# Altium PCB STM32F429IGT6.PcbDoc (part 4 of 6) (continued)
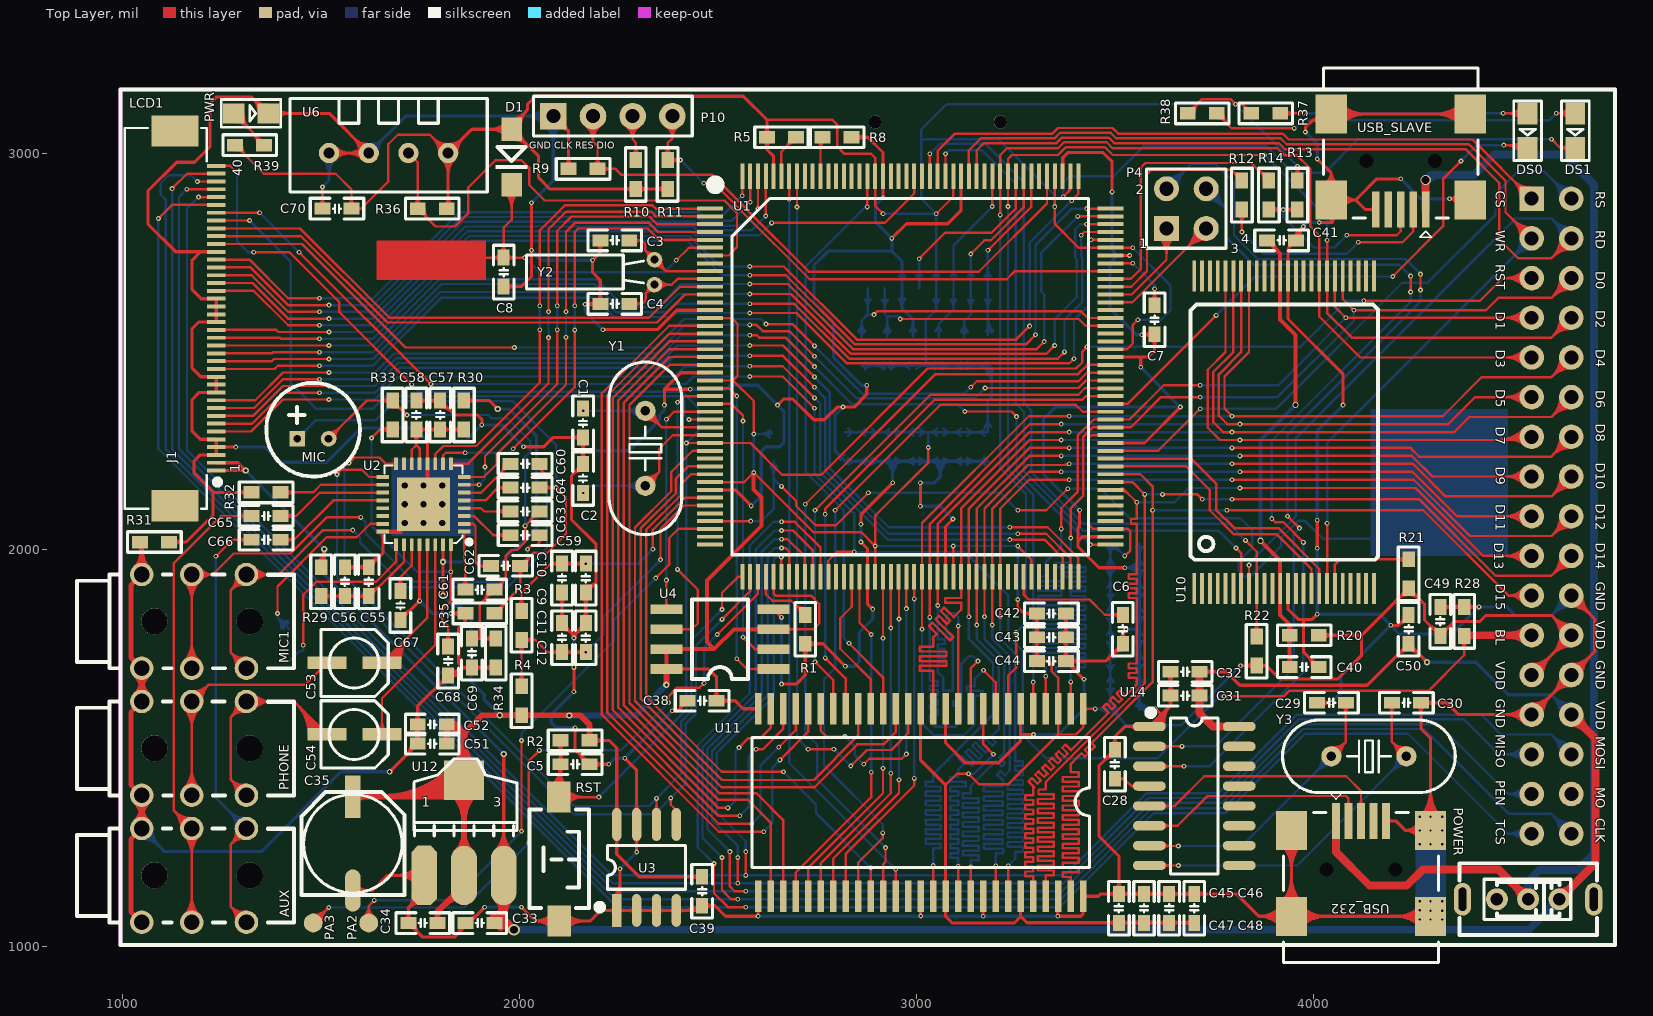
[diagram p0: Top Layer view]
## Nets (pads, with @x,y where several pads share a name; then routed paths per layer and width w, separated by ;. In a path a pad name is that pad's centre, name@x,y a point inside that pad or via, vN(x,y) a via of type N, cw(c..) or ccw(c..) an arc to the next point about the centre after c; other vN are vias at no path point) (continued)
  Bottom Layer w6: v1(3660,1205) 3959.49,1205 Y3.2@4234.49,1480 ; v1@3662.12,1202.88 cw(c3667.24,1197.76) 3667.24,1205 cw(c3667.24,1212.24) v1@3662.12,1207.12 ; Y3.2@4211.9,1480 cw(c4157.36,1480) 4195.92,1441.44 cw(c4234.49,1402.87) Y3.2@4234.49,1457.41 ; Y3.2@4217.9,1480 cw(c4177.84,1480) 4206.17,1451.68 cw(c4234.49,1423.36) Y3.2@4234.49,1463.41
NetC40_2: C40.2 C41.2 R20.1 U10.12 U10.37 | length 1328.9
  Top Layer w10: v4(3867,2023) 3916.53,1973.47 U10.12@3916.53,1903.07 3916.53,1836.47 3940.5,1812.5 R20.1@3940.5,1785 C40.2@3940.5,1705 ; C41.2@3883.5,2780 3916.53,2746.97 U10.37@3916.53,2690.47 3916.53,2580.25 3955,2541.79 v4(3955,2365) ; C41.2@3888.5,2770 cw(c3888.5,2757.93) C41.2@3897.04,2766.46 ; C41.2@3898.5,2780 ccw(c3934.71,2780) 3909.11,2754.39 ; R20.1@3932.9,1777.4 cw(c3914.55,1759.05) 3940.5,1759.05 cw(c3966.45,1759.05) R20.1@3948.1,1777.4 ; R20.1@3932.9,1792.6 ccw(c3914.55,1810.95) 3940.5,1810.95 ccw(c3966.45,1810.95) R20.1@3948.1,1792.6 ; C40.2@3933.43,1712.07 ccw(c3916.36,1729.14) 3940.5,1729.14 ccw(c3964.64,1729.14) C40.2@3947.57,1712.07
  Bottom Layer w10: v4(3867,2023) 3867,2277 v4(3955,2365)
NetC53_1: C53.1 U2.29 | length 727
  Top Layer w6: C53.1@1653.54,1715.35 1767.84,1829.65 U2.29@1767.84,2012.59 ; C53.1@1657.76,1715.35 cw(c1667.93,1715.35) C53.1@1660.73,1722.55 ; C53.1@1663.76,1715.35 cw(c1688.41,1715.35) 1670.98,1732.79 ; C53.1@1669.76,1715.35 cw(c1708.9,1715.35) 1681.22,1743.03 ; C53.1@1675.76,1715.35 cw(c1729.38,1715.35) 1691.46,1753.27 ; C53.1@1681.76,1715.35 cw(c1749.87,1715.35) 1701.71,1763.52 ; C53.1@1687.76,1715.35 cw(c1770.35,1715.35) 1711.95,1773.76 ; C53.1@1693.76,1715.35 cw(c1790.84,1715.35) 1722.19,1784 ; C53.1@1699.76,1715.35 cw(c1811.32,1715.35) 1732.43,1794.24
NetC53_2: C53.2 PHONE.2 | length 1291.2
  Top Layer w6: PHONE.2@1155.34,1400.65 ccw(c1110.05,1445.93) 1174.09,1445.93 ccw(c1238.14,1445.93) PHONE.2@1192.85,1400.65 ; PHONE.2@1155.34,1599.35 cw(c1110.05,1554.07) 1174.09,1554.07 cw(c1238.14,1554.07) PHONE.2@1192.85,1599.35 ; PHONE.2@1159.58,1396.4 ccw(c1124.54,1431.45) 1174.09,1431.45 ccw(c1223.65,1431.45) PHONE.2@1188.61,1396.4 ; PHONE.2@1159.58,1603.6 cw(c1124.54,1568.55) 1174.09,1568.55 cw(c1223.65,1568.55) PHONE.2@1188.61,1603.6 ; PHONE.2@1163.82,1392.16 ccw(c1139.02,1416.96) 1174.09,1416.96 ccw(c1209.17,1416.96) PHONE.2@1184.37,1392.16 ; PHONE.2@1163.82,1607.84 cw(c1139.02,1583.04) 1174.09,1583.04 cw(c1209.17,1583.04) PHONE.2@1184.37,1607.84 ; PHONE.2@1174.09,1381.89 PHONE.2@1174.09,1618.11 1215.98,1660 ; PHONE.2@1174.92,1632.61 ccw(c1176.56,1661.53) 1197.03,1641.05 ccw(c1217.51,1620.57) PHONE.2@1188.6,1618.93 ; PHONE.2@1175.26,1638.6 ccw(c1177.57,1679.46) 1206.51,1650.52 ccw(c1235.44,1621.59) PHONE.2@1194.59,1619.27 ; PHONE.2@1175.6,1644.6 ccw(c1178.59,1697.39) 1215.98,1660 ; PHONE.2@1200.58,1619.61 cw(c1253.37,1622.61) 1215.98,1660 ; C53.2@1515,1715.35 1459.65,1660 1215.98,1660
NetC54_1: C54.1 U2.30 | length 606.7
  Top Layer w6: C54.1@1644.53,1544.37 ccw(c1622.77,1566.13) 1653.54,1566.13 ccw(c1684.32,1566.13) C54.1@1662.56,1544.37 ; C54.1@1648.77,1540.13 ccw(c1637.25,1551.65) 1653.54,1551.65 ccw(c1669.83,1551.65) C54.1@1658.31,1540.13 ; C54.1@1653.54,1535.35 1653.54,1626.54 1787.53,1760.53 U2.30@1787.53,2012.59
NetC54_2: C54.2 PHONE.1 | length 1504
  Top Layer w6: PHONE.1@1285.48,1384.37 ccw(c1238.97,1388.75) 1272,1421.78 ; PHONE.1@1285.48,1615.63 cw(c1238.97,1611.25) 1272,1578.22 ; PHONE.1@1291.45,1383.81 ccw(c1255.46,1387.2) 1281.02,1412.76 ccw(c1306.58,1438.32) PHONE.1@1309.97,1402.33 ; PHONE.1@1291.45,1616.19 cw(c1255.46,1612.8) 1281.02,1587.24 cw(c1306.58,1561.68) PHONE.1@1309.97,1597.67 ; PHONE.1@1297.43,1383.25 ccw(c1271.96,1385.65) 1290.05,1403.73 ccw(c1308.13,1421.82) PHONE.1@1310.53,1396.35 ; PHONE.1@1297.43,1616.75 cw(c1271.96,1614.36) 1290.05,1596.27 cw(c1308.13,1578.18) PHONE.1@1310.53,1603.65 ; PHONE.1@1309.41,1408.3 cw(c1305.03,1454.81) 1272,1421.78 ; PHONE.1@1309.41,1591.7 ccw(c1305.03,1545.19) 1272,1578.22 ; PHONE.1@1311.89,1381.89 1272,1421.78 ; PHONE.1@1322.16,1607.84 cw(c1346.96,1583.04) 1346.96,1618.11 cw(c1346.96,1653.18) PHONE.1@1322.16,1628.38 ; PHONE.1@1326.41,1603.6 cw(c1361.45,1568.55) 1361.45,1618.11 cw(c1361.45,1667.67) PHONE.1@1326.41,1632.63 ; PHONE.1@1330.65,1599.35 cw(c1375.93,1554.07) 1375.93,1618.11 cw(c1375.93,1682.15) PHONE.1@1330.65,1636.87 ; 1436.11,1614.24 cw(c1357.22,1535.35) C54.2@1468.79,1535.35 ; 1446.35,1604 cw(c1377.71,1535.35) C54.2@1474.79,1535.35 ; 1456.6,1593.76 cw(c1398.19,1535.35) C54.2@1480.79,1535.35 ; 1466.84,1583.52 cw(c1418.68,1535.35) C54.2@1486.79,1535.35 ; 1477.08,1573.27 cw(c1439.16,1535.35) C54.2@1492.79,1535.35 ; 1487.32,1563.03 cw(c1459.65,1535.35) C54.2@1498.79,1535.35 ; 1497.57,1552.79 cw(c1480.13,1535.35) C54.2@1504.79,1535.35 ; C54.2@1507.81,1542.55 cw(c1500.62,1535.35) C54.2@1510.79,1535.35 ; C54.2@1515,1535.35 1432.24,1618.11 PHONE.1@1311.89,1618.11 1272,1578.22 ; 1272,1421.78 1272,1578.22
NetC55_2: C55.2 C56.2 R29.1 U2.26 | length 570.5
  Top Layer w6: R29.1@1500,1883.5 C56.2@1560,1883.5 C55.2@1620,1883.5 ; R29.1@1504.77,1878.73 cw(c1516.29,1867.21) 1516.29,1883.5 cw(c1516.29,1899.79) R29.1@1504.77,1888.27 ; R29.1@1509.01,1874.49 cw(c1530.78,1852.72) 1530.78,1883.5 cw(c1530.78,1914.28) R29.1@1509.01,1892.51 ; C56.2@1551.51,1875.01 ccw(c1531.03,1854.53) 1531.03,1883.5 ccw(c1531.03,1912.47) C56.2@1551.51,1891.99 ; C56.2@1568.49,1875.01 cw(c1588.97,1854.53) 1588.97,1883.5 cw(c1588.97,1912.47) C56.2@1568.49,1891.99 ; C55.2@1611.51,1875.01 ccw(c1591.03,1854.53) 1591.03,1883.5 ccw(c1591.03,1912.47) C55.2@1611.51,1891.99 ; C55.2@1620,1894.5 ccw(c1620,1927.09) 1643.05,1904.05 ; C55.2@1620,1900.5 ccw(c1620,1947.58) 1653.29,1914.29 ; C55.2@1625.25,1878.25 1625.25,1886.25 1708.79,1969.79 U2.26@1708.79,2012.59 ; C55.2@1632,1888.5 cw(c1642.86,1888.5) 1635.18,1896.18
NetC57_2: C57.2 C58.2 R30.2 U2.13 U2.14 | length 476
  Top Layer w6: U2.14@1728.47,2217.41 1728.47,2252.47 1740,2264 ; C58.2@1731.51,2290.01 cw(c1711.03,2269.53) 1740,2269.53 cw(c1768.97,2269.53) C58.2@1748.49,2290.01 ; C58.2@1740,2303.5 1740,2264 ; U2.13@1748.16,2217.41 1748.16,2255.84 1740,2264
  Top Layer w8: C58.2@1740,2303.5 C57.2@1800,2303.5 R30.2@1860,2303.5 ; C58.2@1747.78,2295.72 cw(c1766.56,2276.94) 1766.56,2303.5 cw(c1766.56,2330.06) C58.2@1747.78,2311.28 ; C57.2@1792.22,2295.72 ccw(c1773.44,2276.94) 1773.44,2303.5 ccw(c1773.44,2330.06) C57.2@1792.22,2311.28 ; C57.2@1807.78,2295.72 cw(c1826.56,2276.94) 1826.56,2303.5 cw(c1826.56,2330.06) C57.2@1807.78,2311.28 ; R30.2@1851.69,2295.19 ccw(c1831.64,2275.14) 1831.64,2303.5 ccw(c1831.64,2331.86) R30.2@1851.69,2311.81
NetC59_1: C59.1 U2.3 | length 182.7
  Top Layer w6: U2.3@1860.41,2085.47 1885.53,2085.47 1934,2037 C59.1@1977.5,2037 ; C59.1@1964.01,2028.51 ccw(c1943.53,2008.03) 1943.53,2037 ccw(c1943.53,2065.97) C59.1@1964.01,2045.49
NetC59_2: C59.2 MIC1.2 | length 1991
  Top Layer w6: MIC1.2@1155.34,1720.65 ccw(c1110.05,1765.93) 1174.09,1765.93 ccw(c1238.14,1765.93) MIC1.2@1192.85,1720.65 ; MIC1.2@1155.34,1919.35 cw(c1110.05,1874.07) 1174.09,1874.07 cw(c1238.14,1874.07) MIC1.2@1192.85,1919.35 ; MIC1.2@1159.58,1716.4 ccw(c1124.54,1751.45) 1174.09,1751.45 ccw(c1223.65,1751.45) MIC1.2@1188.61,1716.4 ; MIC1.2@1159.58,1923.6 cw(c1124.54,1888.55) 1174.09,1888.55 cw(c1223.65,1888.55) MIC1.2@1188.61,1923.6 ; MIC1.2@1163.82,1712.16 ccw(c1139.02,1736.96) 1174.09,1736.96 ccw(c1209.17,1736.96) MIC1.2@1184.37,1712.16 ; MIC1.2@1163.82,1927.84 cw(c1139.02,1903.04) 1174.09,1903.04 cw(c1209.17,1903.04) MIC1.2@1184.37,1927.84 ; MIC1.2@1174.09,1701.89 MIC1.2@1174.09,1938.11 1227.11,1938.11 ; MIC1.2@1190.52,1925.8 cw(c1215.12,1907.38) 1215.12,1938.11 cw(c1215.12,1968.84) MIC1.2@1190.52,1950.42 ; MIC1.2@1195.33,1922.21 cw(c1227.11,1898.4) 1227.11,1938.11 ; MIC1.2@1195.33,1954.01 ccw(c1227.11,1977.82) 1227.11,1938.11 ; v1@1597.88,2079.88 ccw(c1592.76,2074.76) 1592.76,2082 ccw(c1592.76,2089.24) v1@1597.88,2084.12 ; v1(1600,2082) 1514,2082 1423,1991 1280,1991 1227.11,1938.11 ; v1(2020,2002) 2030,2012 2043,2012 2050.5,2019.5 ; v1@2020,2005 ccw(c2020,2012.24) 2025.12,2007.12 ccw(c2030.24,2002) v1@2023,2002 ; C59.2@2046.18,2025.81 cw(c2043.74,2019.5) 2050.5,2019.5 ; C59.2@2050.5,2037 2050.5,2019.5 ; C59.2@2054.82,2025.81 ccw(c2057.26,2019.5) 2050.5,2019.5
  Bottom Layer w6: v1@1600,2079 cw(c1600,2071.76) 1605.12,2076.88 cw(c1610.24,2082) v1@1603,2082 ; v1(1600,2082) 1612,2070 1612,2042 1734,1920 1967.03,1920 2020,1972.97 v1(2020,2002) ; v1@2017.88,1999.88 cw(c2012.76,1994.76) 2020,1994.76 cw(c2027.24,1994.76) v1@2022.12,1999.88
NetC60_1: C60.1 U2.6 | length 209.1
  Top Layer w6: U2.6@1860.41,2144.53 1903.53,2144.53 C60.1@1976,2217 ; 1949.54,2190.54 ccw(c1923.08,2217) C60.1@1960.5,2217 ; 1957.99,2198.99 cw(c1972.5,2184.48) C60.1@1972.5,2205 ; 1959.78,2200.78 ccw(c1943.57,2217) C60.1@1966.5,2217
NetC60_2: C60.2 MIC1.1 | length 2049.5
  Top Layer w6: MIC1.1@1285.48,1704.37 ccw(c1238.97,1708.75) 1272,1741.78 ; MIC1.1@1285.48,1935.63 cw(c1238.97,1931.25) 1272,1898.22 ; MIC1.1@1291.45,1703.81 ccw(c1255.46,1707.2) 1281.02,1732.76 ccw(c1306.58,1758.32) MIC1.1@1309.97,1722.33 ; MIC1.1@1291.45,1936.19 cw(c1255.46,1932.8) 1281.02,1907.24 cw(c1306.58,1881.68) MIC1.1@1309.97,1917.67 ; MIC1.1@1297.43,1703.25 ccw(c1271.96,1705.65) 1290.05,1723.73 ccw(c1308.13,1741.82) MIC1.1@1310.53,1716.35 ; MIC1.1@1297.43,1936.75 cw(c1271.96,1934.36) 1290.05,1916.27 cw(c1308.13,1898.18) MIC1.1@1310.53,1923.65 ; MIC1.1@1309.41,1728.3 cw(c1305.03,1774.81) 1272,1741.78 ; MIC1.1@1309.41,1911.7 ccw(c1305.03,1865.19) 1272,1898.22 ; MIC1.1@1311.89,1701.89 1272,1741.78 ; MIC1.1@1322.16,1927.84 cw(c1346.96,1903.04) 1346.96,1938.11 cw(c1346.96,1973.18) MIC1.1@1322.16,1948.38 ; MIC1.1@1326.41,1923.6 cw(c1361.45,1888.55) 1361.45,1938.11 cw(c1361.45,1987.67) MIC1.1@1326.41,1952.63 ; MIC1.1@1330.65,1919.35 cw(c1375.93,1874.07) 1375.93,1938.11 cw(c1375.93,2002.15) MIC1.1@1330.65,1956.87 ; v1@1577.88,2047.88 ccw(c1572.76,2042.76) 1572.76,2050 ccw(c1572.76,2057.24) v1@1577.88,2052.12 ; v1(1580,2050) 1505,2050 1393.11,1938.11 MIC1.1@1311.89,1938.11 1272,1898.22 ; C60.2@2050.5,2205.5 v1(2069,2187) ; v1@2066,2187 ccw(c2058.76,2187) 2063.88,2192.12 ccw(c2069,2197.24) v1@2069,2190 ; 1272,1741.78 1272,1898.22
  Bottom Layer w6: v1@1580,2047 cw(c1580,2039.76) 1585.12,2044.88 cw(c1590.24,2050) v1@1583,2050 ; v1(1580,2050) 1598,2032 1598,2019 1711,1906 1970,1906 2069,2005 v1(2069,2187) ; v1@2066.88,2184.88 cw(c2061.76,2179.76) 2069,2179.76 cw(c2076.24,2179.76) v1@2071.12,2184.88
NetC61_1: C61.1 U2.1 | length 192.9
  Top Layer w6: C61.1@1855.01,1908.49 ccw(c1834.53,1928.97) 1863.5,1928.97 ccw(c1892.47,1928.97) C61.1@1871.99,1908.49 ; U2.1@1860.41,2046.1 1860.41,1974.59 1863.5,1971.5 C61.1@1863.5,1900
NetC61_2: C61.2 C63.2 C69.2 MIC.2 R33.2 R34.2 | length 1859.2
  Top Layer w6: MIC.2@1518.74,2280 1615.24,2376.5 R33.2@1680,2376.5 v1(1716.5,2340) ; MIC.2@1518.74,2290.68 ccw(c1518.74,2316.48) 1536.98,2298.24 ccw(c1555.22,2280) MIC.2@1529.43,2280 ; MIC.2@1518.74,2296.68 ccw(c1518.74,2336.97) 1547.22,2308.48 ccw(c1575.71,2280) MIC.2@1535.43,2280 ; R33.2@1670.99,2367.49 ccw(c1649.22,2345.72) 1649.22,2376.5 ccw(c1649.22,2407.28) R33.2@1670.99,2385.51 ; R33.2@1675.23,2371.73 ccw(c1663.71,2360.21) 1663.71,2376.5 ccw(c1663.71,2392.79) R33.2@1675.23,2381.27 ; R33.2@1680,2359.5 cw(c1680,2318.46) 1709.02,2347.48 ; R33.2@1680,2365.5 cw(c1680,2338.94) 1698.78,2357.72 ; R33.2@1692.75,2372.25 ccw(c1713.26,2372.25) 1698.76,2357.74 ; v1@1713.5,2340 ccw(c1706.26,2340) 1711.38,2345.12 ccw(c1716.5,2350.24) v1@1716.5,2343 ; C69.2@1880,1776.5 1900,1776.5 ; C69.2@1890.59,1770.85 cw(c1900,1765.83) 1900,1776.5 ; C69.2@1890.59,1782.15 ccw(c1900,1787.17) 1900,1776.5 ; 1907.48,1870.98 ccw(c1878.46,1900) C61.2@1919.5,1900 ; 1917.72,1881.22 ccw(c1898.94,1900) C61.2@1925.5,1900 ; 1919.55,1883.05 cw(c1931.5,1871.1) C61.2@1931.5,1888 ; R34.2@1930.99,1767.49 ccw(c1909.22,1745.72) 1909.22,1776.5 ccw(c1909.22,1807.28) R34.2@1930.99,1785.51 ; R34.2@1935.23,1771.73 ccw(c1923.71,1760.21) 1923.71,1776.5 ccw(c1923.71,1792.79) R34.2@1935.23,1781.27 ; R34.2@1940,1776.5 1900,1776.5 ; C61.2@1941.5,1912 ccw(c1941.5,1928.9) 1953.45,1916.95 ; C61.2@1947.5,1900.08 cw(c1972.97,1900.45) 1954.96,1918.46 ; C61.2@1953.5,1900.17 cw(c1992.77,1900.73) 1965,1928.5 ; v1@2011.88,2058.38 cw(c2006.76,2053.26) 2014,2053.26 cw(c2021.24,2053.26) v1@2016.12,2058.38 ; v1@2014,2063.5 ccw(c2014,2070.74) 2019.12,2065.62 ccw(c2024.24,2060.5) v1@2017,2060.5 ; 2021.48,2067.98 ccw(c1992.46,2097) C63.2@2033.5,2097 ; 2031.72,2078.22 ccw(c2012.94,2097) C63.2@2039.5,2097 ; 2033.55,2080.05 cw(c2045.5,2068.1) C63.2@2045.5,2085 ; C63.2@2050.5,2097 v1(2014,2060.5) 2014,2020 1994,2000 1980,2000 1965,1985 1965,1928.5 ; 1900,1776.5 1900,1863.5 C61.2@1936.5,1900 1965,1928.5
  Bottom Layer w6: v1(1716.5,2340) 1921,2340 1929,2332 1969,2332 2027,2274 2027,2248 2014,2235 v1(2014,2060.5) ; v1@1718.62,2337.88 cw(c1723.74,2332.76) 1723.74,2340 cw(c1723.74,2347.24) v1@1718.62,2342.12 ; v1@2011.88,2062.62 ccw(c2006.76,2067.74) 2014,2067.74 ccw(c2021.24,2067.74) v1@2016.12,2062.62
NetC62_1: C62.1 U2.2 | length 202.3
  Top Layer w6: U2.2@1860.41,2065.79 1883.21,2065.79 1889,2060 1889,1969 1898,1960 ; C62.1@1914.25,1952.35 ccw(c1898,1938.91) 1898,1960 ; C62.1@1914.25,1967.65 cw(c1898,1981.09) 1898,1960 ; C62.1@1928.5,1960 1898,1960
NetC62_2: C62.2 C64.2 MIC.1 R35.2 | length 1673.8
  Top Layer w6: R35.2@1936.5,1840 2001.5,1905 C62.2@2001.5,1960 2034.5,1993 2070,1993 2117,2040 2117,2132 v1(2092,2157) C64.2@2050.5,2157 ; R35.2@1940.75,1852.75 ccw(c1940.75,1873.26) 1955.26,1858.76 ; R35.2@1947.5,1840 cw(c1974.06,1840) 1955.28,1858.78 ; R35.2@1953.5,1840 cw(c1994.54,1840) 1965.52,1869.02 ; C62.2@1993.01,1951.51 cw(c1972.53,1931.03) 2001.5,1931.03 cw(c2030.47,1931.03) C62.2@2009.99,1951.51 ; C62.2@2006.5,1972 ccw(c2006.5,1988.9) 2018.45,1976.95 ; C62.2@2012.5,1960 cw(c2039.06,1960) 2020.28,1978.78 ; C62.2@2018.5,1960 cw(c2059.54,1960) 2030.52,1989.02 ; C64.2@2063.99,2148.51 cw(c2084.47,2128.03) 2084.47,2157 cw(c2084.47,2185.97) C64.2@2063.99,2165.49 ; v1@2089.88,2154.88 ccw(c2084.76,2149.76) 2084.76,2157 ccw(c2084.76,2164.24) v1@2089.88,2159.12 ; v1@2092,2154 cw(c2092,2146.76) 2097.12,2151.88 cw(c2102.24,2157) v1@2095,2157
  Bottom Layer w6: MIC.1@1440,2280 1487,2327 1638,2327 1686,2375 1982,2375 2092,2265 v1(2092,2157) ; MIC.1@1440,2290.68 ccw(c1440,2316.48) 1458.24,2298.24 ccw(c1476.48,2280) MIC.1@1450.68,2280 ; MIC.1@1440,2296.68 ccw(c1440,2336.97) 1468.48,2308.48 ccw(c1496.97,2280) MIC.1@1456.69,2280 ; v1@2089.88,2159.12 ccw(c2084.76,2164.24) 2092,2164.24 ccw(c2099.24,2164.24) v1@2094.12,2159.12
NetC63_1: C63.1 U2.4 | length 166
  Top Layer w6: U2.4@1860.41,2105.16 1902.84,2105.16 1911,2097 C63.1@1977.5,2097 ; C63.1@1964.01,2088.51 ccw(c1943.53,2068.03) 1943.53,2097 ccw(c1943.53,2125.97) C63.1@1964.01,2105.49
NetC64_1: C64.1 U2.5 | length 170
  Top Layer w6: U2.5@1860.41,2124.84 1913.84,2124.84 1946,2157 ; C64.1@1963.48,2149.08 ccw(c1946,2133.74) 1946,2157 ; C64.1@1963.48,2164.92 cw(c1946,2180.26) 1946,2157 ; C64.1@1977.5,2157 1946,2157
NetC65_1: C65.1 U2.19 | length 327.6
  Top Layer w6: C65.1@1397.93,2085.57 1437.57,2085.57 1496.53,2144.53 U2.19@1655.59,2144.53 ; C65.1@1411.41,2077.09 cw(c1431.9,2056.6) 1431.9,2085.57 cw(c1431.9,2114.54) C65.1@1411.41,2094.06
NetC66_1: C66.1 U2.20 | length 343.5
  Top Layer w6: C66.1@1397.93,2025.57 1431.57,2025.57 ; C66.1@1411.48,2017.15 cw(c1431.57,1997.4) 1431.57,2025.57 ; C66.1@1411.48,2033.99 ccw(c1431.57,2053.75) 1431.57,2025.57 ; U2.20@1655.59,2124.84 1530.84,2124.84 1431.57,2025.57
NetC67_2: C67.2 U2.27 | length 173.4
  Top Layer w6: C67.2@1691.51,1909.99 ccw(c1671.03,1930.47) 1700,1930.47 ccw(c1728.97,1930.47) C67.2@1708.49,1909.99 ; C67.2@1700,1896.5 1700,1932 1728.47,1960.47 U2.27@1728.47,2012.59
NetC68_2: C68.2 R33.1 U2.32 | length 979.1
  Top Layer w6: v1(1627,2282) 1648.5,2303.5 R33.1@1680,2303.5 ; v1@1627,2285 ccw(c1627,2292.24) 1632.12,2287.12 ccw(c1637.24,2282) v1@1630,2282 ; R33.1@1670.99,2294.49 ccw(c1649.22,2272.72) 1649.22,2303.5 ccw(c1649.22,2334.28) R33.1@1670.99,2312.51 ; R33.1@1675.23,2298.73 ccw(c1663.71,2287.21) 1663.71,2303.5 ccw(c1663.71,2319.79) R33.1@1675.23,2308.27 ; C68.2@1811.51,1769.99 ccw(c1791.03,1790.47) 1820,1790.47 ccw(c1848.97,1790.47) C68.2@1828.49,1769.99 ; C68.2@1820,1756.5 1820,1809 1805,1824 1805,1849 1826.9,1870.9 v1(1826.9,1945) U2.32@1826.9,2012.59 ; v1@1824.78,1942.88 cw(c1819.66,1937.76) 1826.9,1937.76 cw(c1834.14,1937.76) v1@1829.02,1942.88 ; v1@1824.78,1947.12 ccw(c1819.66,1952.24) 1826.9,1952.24 ccw(c1834.14,1952.24) v1@1829.02,1947.12
  Bottom Layer w6: v1@1624.88,2279.88 cw(c1619.76,2274.76) 1627,2274.76 cw(c1634.24,2274.76) v1@1629.12,2279.88 ; v1(1627,2282) 1627,2060 1742,1945 v1(1826.9,1945) ; v1@1824.78,1942.88 ccw(c1819.66,1937.76) 1819.66,1945 ccw(c1819.66,1952.24) v1@1824.78,1947.12
NetDS0_1: DS0.1 R37.1 | length 886.9
  Top Layer w6: R37.1@3916.5,3100 v1(3975.97,3099.97) ; R37.1@3925.52,3095.23 cw(c3936.97,3083.79) 3936.97,3099.97 ; R37.1@3925.52,3104.77 ccw(c3937.12,3116.37) 3937.12,3099.97 ; R37.1@3929.77,3090.99 cw(c3951.45,3069.3) 3951.45,3099.97 ; R37.1@3929.77,3109.01 ccw(c3951.61,3130.85) 3951.61,3099.97 ; v1@3973.85,3097.85 ccw(c3968.73,3092.73) 3968.73,3099.97 ccw(c3968.73,3107.21) v1@3973.85,3102.09 ; v1(4478.03,3099.97) DS0.1@4539.94,3099.97 ; v1@4480.15,3097.85 cw(c4485.27,3092.73) 4485.27,3099.97 cw(c4485.27,3107.21) v1@4480.15,3102.09 ; DS0.1@4524.38,3084.41 ccw(c4486.82,3046.86) 4486.82,3099.97 ccw(c4486.82,3153.08) DS0.1@4524.38,3115.52 ; DS0.1@4528.62,3088.65 ccw(c4501.31,3061.34) 4501.31,3099.97 ccw(c4501.31,3138.6) DS0.1@4528.62,3111.28
  Bottom Layer w6: v1(3975.97,3099.97) v1(4478.03,3099.97) ; v1@3978.09,3097.85 cw(c3983.21,3092.73) 3983.21,3099.97 cw(c3983.21,3107.21) v1@3978.09,3102.09 ; v1@4475.91,3097.85 ccw(c4470.79,3092.73) 4470.79,3099.97 ccw(c4470.79,3107.21) v1@4475.91,3102.09
NetDS1_1: DS1.1 R38.1 | length 1172.2
  Top Layer w6: R38.1@3756.5,3100 3794.5,3062 v1(3952,3062) ; R38.1@3760.75,3087.25 cw(c3760.75,3066.74) 3775.26,3081.24 ; R38.1@3767.5,3100 ccw(c3794.06,3100) 3775.28,3081.22 ; R38.1@3773.5,3100 ccw(c3814.54,3100) 3785.52,3070.98 ; v1@3949.88,3059.88 ccw(c3944.76,3054.76) 3944.76,3062 ccw(c3944.76,3069.24) v1@3949.88,3064.12 ; v1@4614.12,3097.85 cw(c4619.24,3092.73) 4619.24,3099.97 cw(c4619.24,3107.21) v1@4614.12,3102.09 ; DS1.1@4643.26,3085.62 ccw(c4612,3058.75) v1(4612,3099.97) ; DS1.1@4643.26,3114.31 cw(c4612,3141.19) v1(4612,3099.97) ; DS1.1@4647.8,3089.54 ccw(c4625.07,3069.99) 4625.07,3099.97 ccw(c4625.07,3129.95) DS1.1@4647.8,3110.4 ; DS1.1@4659.94,3099.97 v1(4612,3099.97)
  Bottom Layer w6: v1(3952,3062) 3973,3083 4595.03,3083 v1(4612,3099.97) ; v1@3952,3065 ccw(c3952,3072.24) 3957.12,3067.12 ccw(c3962.24,3062) v1@3955,3062 ; v1@4609,3099.97 cw(c4601.76,3099.97) 4606.88,3094.85 cw(c4612,3089.73) v1@4612,3096.97
NetPWR_1: PWR.1 R39.1 | length 367.9
  Top Layer w6: PWR.1@1280.03,3099.94 R39.1@1356.5,3023.47 ; PWR.1@1282.59,3077.94 cw(c1282.59,3031) 1315.78,3064.19 ; PWR.1@1282.59,3083.94 cw(c1282.59,3051.49) 1305.54,3074.43 ; PWR.1@1292.59,3099.94 ccw(c1322.91,3099.94) PWR.1@1301.47,3078.5 ; PWR.1@1298.59,3099.94 ccw(c1343.4,3099.94) 1311.71,3068.25 ; PWR.1@1304.59,3099.94 ccw(c1363.88,3099.94) 1321.96,3058.01 ; 1325.03,3054.94 cw(c1290.09,3020) R39.1@1339.5,3020 ; 1335.27,3044.7 cw(c1310.57,3020) R39.1@1345.5,3020 ; 1343.66,3036.3 ccw(c1352.25,3044.89) R39.1@1352.25,3032.75 ; R39.1@1345.51,3034.46 cw(c1331.06,3020) R39.1@1351.5,3020
NetR1_1: R1.1 U1.48 | length 234
  Top Layer w6: U1.48@2620.37,1932.22 2620.37,1888.63 2637,1872 2684.5,1872 R1.1@2720,1836.5 ; 2690.98,1865.52 ccw(c2720,1894.54) R1.1@2720,1853.5 ; 2701.22,1855.28 ccw(c2720,1874.06) R1.1@2720,1847.5 ; 2701.24,1855.26 cw(c2686.74,1840.75) R1.1@2707.25,1840.75
NetR5_1: R5.1 U1.171 | length 183.1
  Top Layer w6: U1.171@2659.74,2941.32 2659.74,3003.24 R5.1@2696.5,3040 ; 2667.48,3010.98 ccw(c2638.46,3040) R5.1@2679.5,3040 ; 2677.72,3021.22 ccw(c2658.94,3040) R5.1@2685.5,3040 ; 2677.74,3021.24 cw(c2692.25,3006.74) R5.1@2692.25,3027.25
NetR12_1: R12.1 USB_SLAVE.2 | length 734.7
  Top Layer w6: R12.1@3810.99,2844.23 cw(c3789.22,2822.47) 3820,2822.47 cw(c3850.78,2822.47) R12.1@3829.01,2844.23 ; R12.1@3815.23,2848.48 cw(c3803.71,2836.96) 3820,2836.96 cw(c3836.29,2836.96) R12.1@3824.77,2848.48 ; v1@3817.88,2803.12 ccw(c3812.76,2808.24) 3820,2808.24 ccw(c3827.24,2808.24) v1@3822.12,2803.12 ; v1(3820,2801) R12.1@3820,2857.5 ; v1(4113,2775) 4224,2775 4251.49,2802.49 USB_SLAVE.2@4251.49,2857.64 ; v1@4115.12,2772.88 cw(c4120.24,2767.76) 4120.24,2775 cw(c4120.24,2782.24) v1@4115.12,2777.12 ; USB_SLAVE.2@4246.66,2817.36 cw(c4234.97,2805.68) 4251.49,2805.68 cw(c4268.01,2805.68) USB_SLAVE.2@4256.33,2817.36
  Bottom Layer w6: v1@3820,2798 cw(c3820,2790.76) 3825.12,2795.88 cw(c3830.24,2801) v1@3823,2801 ; v1(3820,2801) 3875,2746 4084,2746 v1(4113,2775) ; v1@4110,2775 cw(c4102.76,2775) 4107.88,2769.88 cw(c4113,2764.76) v1@4113,2772
NetR13_1: R13.1 R14.1 USB_SLAVE.3 | length 720.7
  Top Layer w6: R14.1@3888,2857.5 v1(3924,2857.5) R13.1@3960,2857.5 ; R14.1@3892.77,2852.73 cw(c3904.29,2841.21) 3904.29,2857.5 cw(c3904.29,2873.79) R14.1@3892.77,2862.27 ; R14.1@3897.01,2848.49 cw(c3918.78,2826.72) 3918.78,2857.5 cw(c3918.78,2888.28) R14.1@3897.01,2866.51 ; v1@3921.88,2855.38 ccw(c3916.76,2850.26) 3916.76,2857.5 ccw(c3916.76,2864.74) v1@3921.88,2859.62 ; v1@3926.12,2855.38 cw(c3931.24,2850.26) 3931.24,2857.5 cw(c3931.24,2864.74) v1@3926.12,2859.62 ; R13.1@3950.99,2848.49 ccw(c3929.22,2826.72) 3929.22,2857.5 ccw(c3929.22,2888.28) R13.1@3950.99,2866.51 ; R13.1@3955.23,2852.73 ccw(c3943.71,2841.21) 3943.71,2857.5 ccw(c3943.71,2873.79) R13.1@3955.23,2862.27 ; v1(4084,2793) 4210,2793 4220,2803 USB_SLAVE.3@4220,2857.64 ; v1@4086.12,2790.88 cw(c4091.24,2785.76) 4091.24,2793 cw(c4091.24,2800.24) v1@4086.12,2795.12 ; USB_SLAVE.3@4215.16,2817.36 cw(c4203.48,2805.68) 4220,2805.68 cw(c4236.52,2805.68) USB_SLAVE.3@4224.84,2817.36
  Bottom Layer w6: v1@3921.88,2855.38 cw(c3916.76,2850.26) 3924,2850.26 cw(c3931.24,2850.26) v1@3926.12,2855.38 ; v1(3924,2857.5) 3924,2839 4001,2762 4053,2762 v1(4084,2793) ; v1@4081,2793 cw(c4073.76,2793) 4078.88,2787.88 cw(c4084,2782.76) v1@4084,2790
NetR21_1: R21.1 U10.19 | length 325.3
  Top Layer w6: U10.19@4054.33,1903.07 4054.33,1963.33 4067.5,1976.5 R21.1@4240,1976.5 ; R21.1@4230.99,1967.49 ccw(c4209.22,1945.72) 4209.22,1976.5 ccw(c4209.22,2007.28) R21.1@4230.99,1985.51 ; R21.1@4235.23,1971.73 ccw(c4223.71,1960.21) 4223.71,1976.5 ccw(c4223.71,1992.79) R21.1@4235.23,1981.27
NetR32_2: R32.2 U2.18 | length 339.6
  Top Layer w6: R32.2@1397.93,2145 1480.03,2145 1499.24,2164.21 U2.18@1655.59,2164.21 ; R32.2@1406.95,2140.23 cw(c1418.47,2128.71) 1418.47,2145 cw(c1418.47,2161.29) R32.2@1406.95,2149.77 ; R32.2@1411.2,2135.99 cw(c1432.96,2114.22) 1432.96,2145 cw(c1432.96,2175.78) R32.2@1411.2,2154.01
NetSPK+_1: SPK+.1 U2.25 | length 519.3
  Top Layer w6: v1@1452.88,1762.12 ccw(c1447.76,1767.24) 1455,1767.24 ccw(c1462.24,1767.24) v1@1457.12,1762.12 ; v1(1455,1760) 1455,1886.98 1488.02,1920 1639,1920 1689.1,1970.1 U2.25@1689.1,2012.59
  Bottom Layer w6: SPK+.1@1420,1720 1444,1744 1451,1744 1455,1748 v1(1455,1760) ; v1@1452.88,1757.88 cw(c1447.76,1752.76) 1455,1752.76 cw(c1462.24,1752.76) v1@1457.12,1757.88
NetSPK-_1: SPK-.1 U2.23 | length 577.2
  Top Layer w6: v1@1387.88,1842.12 ccw(c1382.76,1847.24) 1390,1847.24 ccw(c1397.24,1847.24) v1@1392.12,1842.12 ; v1(1390,1840) 1390,1908.04 1513.96,2032 1590,2032 1623.79,2065.79 U2.23@1655.59,2065.79
  Bottom Layer w6: v1@1387.88,1837.88 cw(c1382.76,1832.76) 1390,1832.76 cw(c1397.24,1832.76) v1@1392.12,1837.88 ; v1(1390,1840) 1390,1830 ; SPK-.1@1399.53,1802.46 ccw(c1366.44,1806.43) 1390,1830 ; SPK-.1@1405.48,1801.74 ccw(c1382.02,1804.56) 1398.73,1821.27 ccw(c1415.44,1837.98) SPK-.1@1418.26,1814.52 ; SPK-.1@1417.54,1820.47 cw(c1413.57,1853.56) 1390,1830 ; SPK-.1@1420,1800 1390,1830
NetU14_5: U14.5 USB_232.3 | length 714.6
  Top Layer w6: U14.5@3586.81,1355 3650,1355 3725,1430 4083,1430 4120,1393 USB_232.3@4120,1317.36 ; U14.5@3622.57,1348.77 cw(c3637.61,1333.73) 3637.61,1355 cw(c3637.61,1376.27) U14.5@3622.57,1361.23 ; USB_232.3@4115.16,1357.64 ccw(c4103.48,1369.32) 4120,1369.32 ccw(c4136.52,1369.32) USB_232.3@4124.84,1357.64
NetU14_6: U14.6 USB_232.2 | length 650.9
  Top Layer w6: U14.6@3586.81,1305 3658,1305 3733,1380 4082,1380 4088.51,1373.49 USB_232.2@4088.51,1317.36 ; U14.6@3622.57,1298.77 cw(c3637.61,1283.73) 3637.61,1305 cw(c3637.61,1326.27) U14.6@3622.57,1311.23 ; USB_232.2@4083.67,1357.64 ccw(c4071.99,1369.32) 4088.51,1369.32 ccw(c4105.03,1369.32) USB_232.2@4093.34,1357.64
PA0: U1.40
PA1: R40.1 U1.41 | length 2412.9
  Top Layer w6: U1.41@2480,2072.6 v1(2582.4,2072.6) ; v1@2580.28,2070.48 ccw(c2575.16,2065.36) 2575.16,2072.6 ccw(c2575.16,2079.84) v1@2580.28,2074.72 ; v1@2660,2157 cw(c2660,2149.76) 2665.12,2154.88 cw(c2670.24,2160) v1@2663,2160 ; v1(2660,2160) 2697,2123 2697,2111 2746,2062 2797,2062 v1(2879,2144) ; v1@2876,2144 cw(c2868.76,2144) 2873.88,2138.88 cw(c2879,2133.76) v1@2879,2141 ; v1(3255,2100) 3327,2100 v1(3381,2154) ; v1@3257.12,2097.88 cw(c3262.24,2092.76) 3262.24,2100 cw(c3262.24,2107.24) v1@3257.12,2102.12 ; v1@3378,2154 cw(c3370.76,2154) 3375.88,2148.88 cw(c3381,2143.76) v1@3381,2151
  Bottom Layer w6: v1(2582.4,2072.6) 2609.6,2072.6 2640,2103 2640,2180 ; v1@2584.52,2070.48 cw(c2589.64,2065.36) 2589.64,2072.6 cw(c2589.64,2079.84) v1@2584.52,2074.72 ; R40.1@2630.99,2210.23 cw(c2609.22,2188.47) 2640,2188.47 cw(c2670.78,2188.47) R40.1@2649.01,2210.23 ; R40.1@2635.23,2214.48 cw(c2623.71,2202.96) 2640,2202.96 cw(c2656.29,2202.96) R40.1@2644.77,2214.48 ; R40.1@2640,2223.5 2640,2180 ; v1@2657,2160 ccw(c2649.76,2160) 2654.88,2165.12 ccw(c2660,2170.24) v1@2660,2163 ; v1(2660,2160) 2640,2180 ; v1(2879,2144) 3211,2144 v1(3255,2100) ; v1@2881.12,2141.88 cw(c2886.24,2136.76) 2886.24,2144 cw(c2886.24,2151.24) v1@2881.12,2146.12 ; v1@3252,2100 ccw(c3244.76,2100) 3249.88,2105.12 ccw(c3255,2110.24) v1@3255,2103 ; v1(3381,2154) 3464,2154 3538,2080 3816,2080 3846,2050 3846,2005 3812,1971 3812,1947 3826,1933 3842,1933 3919,2010 3919,2030.82 3962.18,2074 3978,2074 4024,2028 4152,2028 ; v1@3383.12,2151.88 cw(c3388.24,2146.76) 3388.24,2154 cw(c3388.24,2161.24) v1@3383.12,2156.12